# Altium PCB 电源模块.PcbDoc (part 1 of 3) (continued)
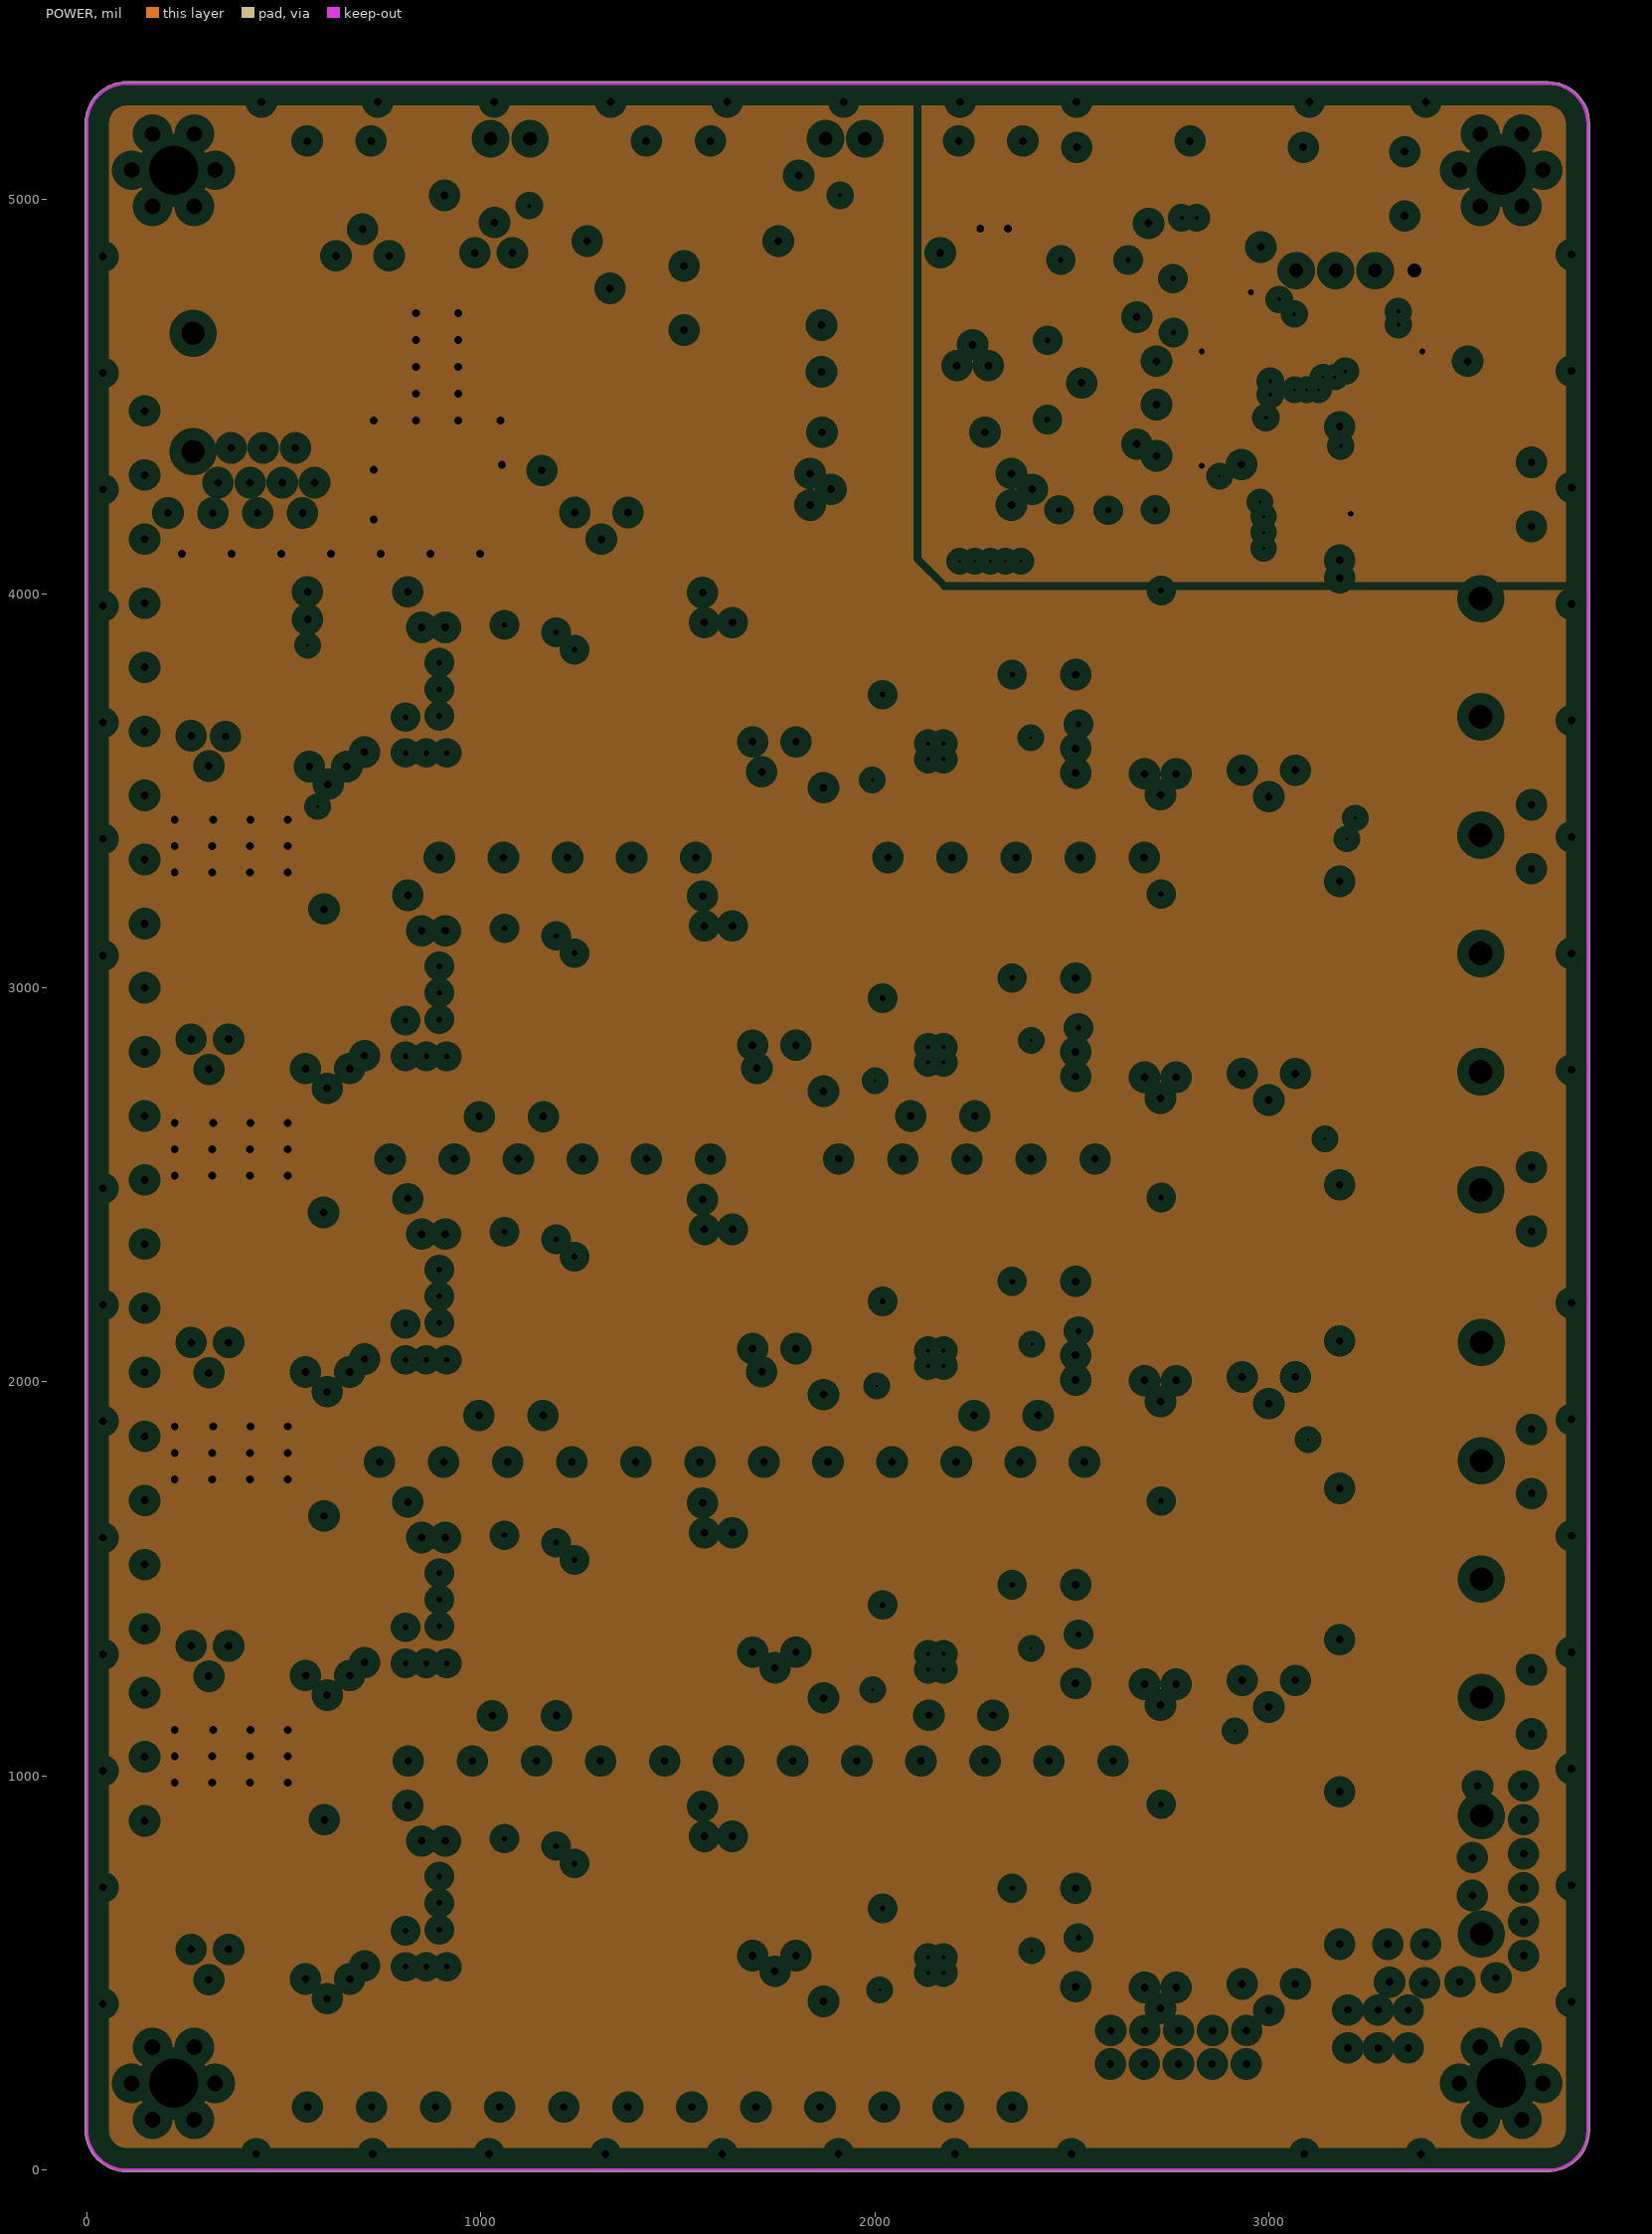
[diagram p3: POWER, clearances drawn from the general rule]

## Layer stack, top to bottom
Top Solder: solder mask 0.4, Solder Resist, Dk 3.5
Top Layer: signal copper 1.4
Dielectric 1: core 10, FR-4, Dk 4.2
GND: plane copper 1.417, net GND
Dielectric 2: prepreg 5, Dk 4.2
POWER: plane copper 1.417, net NetC12_1
Dielectric 3: core 10, Dk 4.2
Bottom Layer: signal copper 1.4
Bottom Solder: solder mask 0.4, Solder Resist, Dk 3.5

## Board outline
-4.01,94 -4.01,99.97 cw(c101.5,101.5) -4.01,103.03 -4.01,5204 cw(c0,5204) -3.24,5206.37 cw(c101.5,5193.5) 89.83,5298.38 cw(c92,5295) 92,5299.01 99.97,5299.01 cw(c101.5,5193.5) 103.03,5299.01 cw(c101.5,5193.5) 103.06,5299.01 103.03,5299.01 3710,5299.01 cw(c3710,5295) 3710.06,5299.01 cw(c3708.5,5193.5) 3814.03,5193.5 cw(c3708.5,5193.5) 3814.01,5191.97 cw(c3708.5,5193.5) 3814.01,5191.94 3814.01,5192 3814.01,100 cw(c3810,100) 3814.01,99.94 cw(c3708.5,101.5) 3706.97,-4.01 cw(c3708.5,101.5) 3706.94,-4.01 3706.97,-4.01 93,-4.01 cw(c93,0) 91.05,-3.51 cw(c101.5,101.5) -3.62,92.27 cw(c0,94)

## Design rules (kind name [scope] priority, off if disabled: settings)
Clearance Clearance_1 [InNet('NetC13_2')] p1: gap=50 ignorepadtopadclearanceinfootprint=FALSE except(0: Arc-Hole Track-Hole SMDPad-Hole THPad-Hole Via-Hole Fill-Hole Poly-Hole Region-Hole Text-Hole)
Clearance [All] p2: gap=7 ignorepadtopadclearanceinfootprint=FALSE except(0: Arc-Hole Track-Hole SMDPad-Hole THPad-Hole Via-Hole Fill-Hole Poly-Hole Region-Hole Text-Hole; 15: Arc-Poly Track-Poly SMDPad-Poly THPad-Poly Via-Poly Fill-Poly Poly-Poly)
PlaneClearance [All] p1: clearance=30
PlaneConnect [All] p1: planeconnectstyle=Relief reliefexpansion=20 reliefentries=4 reliefconductorwidth=25 reliefairgap=10
PolygonConnect PolygonConnect_1 [All vs IsVia] p1: connectstyle=Direct reliefconductorwidth=10 reliefentries=4 polygonreliefangle="90 Angle" airgapwidth=10
PolygonConnect [All] p2: connectstyle=Relief reliefconductorwidth=25 reliefentries=4 polygonreliefangle="90 Angle" airgapwidth=10
RoutingVias [All] p1: holewidth=28 width=50 viastyle="Through Hole" minholewidth=28 minwidth=50 maxholewidth=28 maxwidth=50
SolderMaskExpansion [All] p1: expansion=4 istentingtop=FALSE
Width [All] p1: maxlimit=100 minlimit=10 preferedwidth=10
28 further rules are at their usual default settings.

## Classes and differential pairs
component class 主控电路: C1 C2 C3 C4 C5 C6 C7 C8 D1 D9 DMG1 J1 JP1 JP3 LED1 R1 R2 R3 R74 U1 X1
component class 电源通道电路: C9 C10 C11 C12 C13 C14 C15 C16 C17 C18 C19 C20 C21 C22 C23 C24 C25 C26 C27 C28 C29 C30 C31 C32 C33 C34 C35 C36 C37 C38 C39 C40 C41 C42 C43 C44 C45 C46 C47 C48 C49 C50 C51 C52 C53 C54 C55 C56 C57 C58 C59 C60 C61 C62 C63 C64 C65 C66 C67 C68 C69 C70 C71 C72 C73 C74 C75 C76 C77 C78 C79 C80 C81 C82 C83 C84 C85 C86 C87 C88 C89 C90 C91 C92 C93 C94 C95 C96 C97 C98 C99 C100 C101 C102 C103 D2 D3 D4 D5 D6 D7 D8 DF1 FU1 JP2 JP4 JP5 JP14 JP15 JP16 JP17 JP? L1 L2 L3 L4 L5 L6 LED2 LED3 LED4 LED5 LED6 LED7 R4 R5 R6 R7 R8 R9 R10 R11 R12 R13 R14 R15 R16 R17 R18 R19 R20 R21 R22 R23 R24 R25 R26 R27 R28 R29 R30 R31 R32 R33 R34 R35 R36 R37 R38 R39 R40 R41 R42 R43 R44 R45 R46 R47 R48 R49 R50 R51 R52 R53 R54 R55 R56 R57 R58 R59 R60 R61 R62 R63 R64 R65 R66 R67 R68 R69 R70 R71 R72 R73 R75 R? U2 U3 U4 U5 U6 U7 U8 U9 U10 U11 U12 U13 U14 U15 U16 U17 U18

## Components (designator, comment, footprint, x,y, rotation, side; value= is the part's Value field where it differs from the comment)
C1 "22pF" "C 0603_M" 2665,4623.5 r90 top
C2 "0.1uF" "C 0603_M" 2793.5,4480 r0 top
C3 "22pF" "C 0603_M" 2665,4458.5 r270 top
C4 "0.1uF" "C 0603_M" 3180,4163.5 r90 top
C5 "0.1uF" "C 0603_M" 2793.5,4350 r0 top
C6 "0.1uF" "C 0603_M" 2793.5,4590 r0 top
C7 "0.1uF" "C 0603_M" 2980,4801.5 r270 top
C8 "0.1uF" "C 0603_M" 3426.5,4590 r180 top
C9 "10nF" "C 0603_M" 1508.5,4564 r180 top
C10 "100uF/10V" "CT 5*6 - R" 2240,4265 r0 top
C11 "0.1uF" "C 0603_M" 2245,4865 r0 top
C12 "22uF/63V" "CT 8*7 - C" 1035,4705 r270 top
C13 "0.01uF/1KV" "C 1210_M" 3088,234 r270 top
C14 "100uF/10V" "CT 5*6 - R" 1940,4265 r180 top
C15 "0.1uF" "C 0603_M" 2201.5,4410 r180 top
C16 "0.1uF" "C 0603_M" 1948.5,4410 r0 top
C17 "100uF/10V" "CT 5*6 - R" 2248.33,4683 r270 top
C18 "0.1uF" "C 0603_M" 1153.5,3860 r180 top
C19 "22uF/63V" "CT 8*7 - C" 310,3800 r90 top
C20 "10uF/50V" "C 1206_M" 610,3631.5 r90 top
C21 "0.1uF" "C 0603_M" 705,3676.5 r90 top
C22 "100uF/10V" "CT 5*6 - R" 1640,3624.33 r0 top
C23 "1uF/10V" "C 0603_M" 1638.76,3848.5 r270 top
C24 "0.1uF" "C 0603_M" 1567.53,3848.5 r270 top
C25 "100uF/10V" "CT 5*6 - R" 2725,3650 r270 top
C26 "0.1uF" "C 0603_M" 3180,3961.5 r270 top
C27 "1nF" "C 0603_M" 2028.5,3785 r180 top
C28 "0.1uF" "C 0603_M" 2431.5,3732.5 r180 top
C29 "1uF/25V" "C 0603_M" 1153.5,3932.5 r180 top
C30 "0.1uF" "C 0603_M" 638.5,4005 r0 top
C31 "10pF" "C 0603_M" 1308.5,4005 r180 top
C32 "0.1uF" "C 0603_M" 2431.5,3795 r180 top
C33 "0.1uF" "C 0603_M" 2431.5,3607.5 r0 top
C34 "1uF/10V" "C 0603_M" 1870,3586.5 r90 top
C35 "0.1uF" "C 0603_M" 1153.5,3090 r180 top
C36 "22uF/63V" "CT 8*7 - C" 310,3030 r90 top
C37 "10uF/50V" "C 1206_M" 610,2861.5 r90 top
C38 "0.1uF" "C 0603_M" 705,2906.5 r90 top
C39 "100uF/10V" "CT 5*6 - R" 1640,2854.33 r0 top
C40 "1uF/10V" "C 0603_M" 1638.76,3078.5 r270 top
C41 "0.1uF" "C 0603_M" 1567.53,3078.5 r270 top
C42 "100uF/10V" "CT 5*6 - R" 2725,2880 r270 top
C43 "0.1uF" "C 0603_M" 3180,3191.5 r270 top
C44 "1nF" "C 0603_M" 2028.5,3015 r180 top
C45 "0.1uF" "C 0603_M" 2431.5,2962.5 r180 top
C46 "1uF/25V" "C 0603_M" 1153.5,3162.5 r180 top
C47 "0.1uF" "C 0603_M" 638.5,3235 r0 top
C48 "10pF" "C 0603_M" 1308.5,3235 r180 top
C49 "0.1uF" "C 0603_M" 2431.5,3025 r180 top
C50 "0.1uF" "C 0603_M" 2431.5,2837.5 r0 top
C51 "1uF/10V" "C 0603_M" 1870,2816.5 r90 top
C52 "0.1uF" "C 0603_M" 1153.5,2320 r180 top
C53 "22uF/63V" "CT 8*7 - C" 310,2260 r90 top
C54 "10uF/50V" "C 1206_M" 610,2091.5 r90 top
C55 "0.1uF" "C 0603_M" 705,2136.5 r90 top
C56 "100uF/10V" "CT 5*6 - R" 1640,2084.33 r0 top
C57 "1uF/10V" "C 0603_M" 1638.76,2308.5 r270 top
C58 "0.1uF" "C 0603_M" 1567.53,2308.5 r270 top
C59 "100uF/10V" "CT 5*6 - R" 2725,2110 r270 top
C60 "0.1uF" "C 0603_M" 3180,2421.5 r270 top
C61 "1nF" "C 0603_M" 2028.5,2245 r180 top
C62 "0.1uF" "C 0603_M" 2431.5,2192.5 r180 top
C63 "1uF/25V" "C 0603_M" 1153.5,2392.5 r180 top
C64 "0.1uF" "C 0603_M" 638.5,2465 r0 top
C65 "10pF" "C 0603_M" 1308.5,2465 r180 top
C66 "0.1uF" "C 0603_M" 2431.5,2255 r180 top
C67 "0.1uF" "C 0603_M" 2431.5,2067.5 r0 top
C68 "1uF/10V" "C 0603_M" 1870,2046.5 r90 top
C69 "0.1uF" "C 0603_M" 1153.5,1550 r180 top
C70 "22uF/63V" "CT 8*7 - C" 310,1490 r90 top
C71 "10uF/50V" "C 1206_M" 610,1321.5 r90 top
C72 "0.1uF" "C 0603_M" 705,1366.5 r90 top
C73 "100uF/10V" "CT 5*6 - R" 1640,1314.33 r0 top
C74 "1uF/10V" "C 0603_M" 1638.76,1538.5 r270 top
C75 "0.1uF" "C 0603_M" 1567.53,1538.5 r270 top
C76 "100uF/10V" "CT 5*6 - R" 2725,1340 r270 top
C77 "0.1uF" "C 0603_M" 3180,1651.5 r270 top
C78 "1nF" "C 0603_M" 2028.5,1475 r180 top
C79 "0.1uF" "C 0603_M" 2431.5,1422.5 r180 top
C80 "1uF/25V" "C 0603_M" 1153.5,1622.5 r180 top
C81 "0.1uF" "C 0603_M" 638.5,1695 r0 top
C82 "10pF" "C 0603_M" 1308.5,1695 r180 top
C83 "0.1uF" "C 0603_M" 2431.5,1485 r180 top
C84 "0.1uF" "C 0603_M" 2431.5,1297.5 r0 top
C85 "1uF/10V" "C 0603_M" 1870,1276.5 r90 top
C86 "0.1uF" "C 0603_M" 1153.5,780 r180 top
C87 "22uF/63V" "CT 8*7 - C" 310,720 r90 top
C88 "10uF/50V" "C 1206_M" 610,551.5 r90 top
C89 "0.1uF" "C 0603_M" 705,596.5 r90 top
C90 "100uF/10V" "CT 5*6 - R" 1640,544.33 r0 top
C91 "1uF/10V" "C 0603_M" 1638.76,768.5 r270 top
C92 "0.1uF" "C 0603_M" 1567.53,768.5 r270 top
C93 "100uF/10V" "CT 5*6 - R" 2725,570 r270 top
C94 "0.1uF" "C 0603_M" 3180,881.5 r270 top
C95 "1nF" "C 0603_M" 2028.5,705 r180 top
C96 "0.1uF" "C 0603_M" 2431.5,652.5 r180 top
C97 "1uF/25V" "C 0603_M" 1153.5,852.5 r180 top
C98 "0.1uF" "C 0603_M" 638.5,925 r0 top
C99 "10pF" "C 0603_M" 1308.5,925 r180 top
C100 "0.1uF" "C 0603_M" 2431.5,715 r180 top
C101 "0.1uF" "C 0603_M" 2431.5,527.5 r0 top
C102 "1uF/10V" "C 0603_M" 1870,506.5 r90 top
C103 "0.1uF" "C 0603_M" 1155,4391.5 r90 top
D1 "TESD05EB" 0603-ESD 1805,5011 r0 top
D2 "SMBJ40CA" "SMB - TVS" 700,4765 r270 top
D3 "SS34" SMA 1306,4296.55 r90 top
D4 "SMBJ5.0A" "SMB - TVS" 3000,3645 r90 top
D5 "SMBJ5.0A" "SMB - TVS" 3000,2875 r90 top
D6 "SMBJ5.0A" "SMB - TVS" 3000,2105 r90 top
D7 "SMBJ5.0A" "SMB - TVS" 3000,1335 r90 top
D8 "SMBJ5.0A" "SMB - TVS" 3000,565 r90 top
D9 "TESD05EB" 0603-ESD 950,5011 r0 top
DF1 "FERD20H100SB-TR" DPAK_FERD20H100SB-TR 750.05,4295 r180 top
DMG1 "LCD1" FCC1.0*10 2977.48,5015 r0 top
FU1 "122 20A 48V" "R 1206_M" 687.5,4530 r0 top
J1 "swio" HDR2.54-LI-4P 3220,4820 r180 top
JP1 "HDR-1X2" XH2.54-LI-2P 1925,5155 r180 top
JP2 "KF129-2P" 7.62_2P(中脚) 270,4511 r90 top locked
JP3 "HDR-1X2" XH2.54-LI-2P 1075,5155 r180 top
JP4 "HDR-1X6" 7.62_6P(中脚) 3535,3215 r270 top locked
JP5 "HDR-1X6" 7.62_6P(中脚) 3537.25,1327.1 r270 top locked
JP14 "冷压插片" "M3 125X300" 220,220 r180 top locked
JP15 "冷压插片" "M3 125X300" 220,5075 r180 top locked
JP16 "冷压插片" "M3 125X300" 3590,5075 r180 top locked
JP17 "冷压插片" "M3 125X300" 3590,220 r180 top locked
L1 "15uH/MAX3A" CDRH74 1585,4305 r0 top
L2 "3.3uH/6A-C394166" 7045 1215,3669.8 r0 top
L3 "3.3uH/6A-C394166" 7045 1215,2899.8 r0 top
L4 "3.3uH/6A-C394166" 7045 1215,2129.8 r0 top
L5 "3.3uH/6A-C394166" 7045 1215,1359.8 r0 top
L6 "3.3uH/6A-C394166" 7045 1215,589.8 r0 top
LED1 "LED" "LED 0603G" 3654.74,4470 r270 top
LED2 "LED" "LED 0603G" 1155.26,4230 r90 top
LED3 "LED" "LED 0603G" 1640,4003.26 r180 top
LED4 "LED" "LED 0603G" 1640,3233.26 r180 top
LED5 "LED" "LED 0603G" 1640,2463.26 r180 top
LED6 "LED" "LED 0603G" 1640,1693.26 r180 top
LED7 "LED" "LED 0603G" 1640,923.26 r180 top
R1 "10k" "R 0603_M" 2008.5,5010 r180 top
R2 "1k" "R 0603_M" 3655,4626.5 r270 top
R3 "1k" "R 0603_M" 2793.5,4415 r180 top
R4 "10k/1%" "R 0603_M" 1755,4668.5 r270 top
R5 "1k" "R 0603_M" 1075,4226.5 r90 top
R6 "51k" "R 0603_M" 1270,4658.5 r90 top
R7 "10k" "R 0603_M" 1270,4816.5 r90 top
R8 "3.24k/1%" "R 0603_M" 1755,4816.5 r270 top
R9 "0.027R/1%/3W" "R 2512_M" 2100.98,3950 r180 top
R10 "1k" "R 0603_M" 638.5,3865 r180 top
R11 "1k" "R 0603_M" 1710,3848.5 r270 top
R12 "1k" "R 0603_M" 3180,3733.5 r90 top
R13 "100R/1%" "R 0603_M" 2178.5,3785 r180 top
R14 "100R" "R 0603_M" 2431.5,3670 r180 top
R15 "0R" "R 0603_M" 1308.5,3860 r180 top
R16 "100K" "R 0603_M" 1308.5,3932.5 r180 top
R17 "60.4K/1%" "R 0603_M" 638.5,3935 r180 top
R18 "1M/1%" "R 0603_M" 1153.5,4005 r180 top
R19 "243K/1%" "R 0603_M" 893.5,4005 r180 top
R20 "100k" "R 0603_M" 1935,3586.5 r270 top
R21 "150k" "R 0603_M" 2431.5,3545 r180 top
R22 "0.06R/1%/W" "R 2512_M" 2100.98,3180 r180 top
R23 "1k" "R 0603_M" 638.5,3095 r180 top
R24 "1k" "R 0603_M" 1710,3078.5 r270 top
R25 "1k" "R 0603_M" 3180,2963.5 r90 top
R26 "249R/1%" "R 0603_M" 2178.5,3015 r180 top
R27 "100R" "R 0603_M" 2431.5,2900 r180 top
R28 "0R" "R 0603_M" 1308.5,3090 r180 top
R29 "100K" "R 0603_M" 1308.5,3162.5 r180 top
R30 "60.4K/1%" "R 0603_M" 638.5,3165 r180 top
R31 "1M/1%" "R 0603_M" 1153.5,3235 r180 top
R32 "243K/1%" "R 0603_M" 893.5,3235 r180 top
R33 "100k" "R 0603_M" 1935,2816.5 r270 top
R34 "150k" "R 0603_M" 2431.5,2775 r180 top
R35 "0.06R/1%/W" "R 2512_M" 2100.98,2410 r180 top
R36 "1k" "R 0603_M" 638.5,2325 r180 top
R37 "1k" "R 0603_M" 1710,2308.5 r270 top
R38 "1k" "R 0603_M" 3180,2193.5 r90 top
R39 "249R/1%" "R 0603_M" 2178.5,2245 r180 top
R40 "100R" "R 0603_M" 2431.5,2130 r180 top
R41 "0R" "R 0603_M" 1308.5,2320 r180 top
R42 "100K" "R 0603_M" 1308.5,2392.5 r180 top
R43 "60.4K/1%" "R 0603_M" 638.5,2395 r180 top
R44 "1M/1%" "R 0603_M" 1153.5,2465 r180 top
R45 "243K/1%" "R 0603_M" 893.5,2465 r180 top
R46 "100k" "R 0603_M" 1935,2046.5 r270 top
R47 "150k" "R 0603_M" 2431.5,2005 r180 top
R48 "0.06R/1%/W" "R 2512_M" 2100.98,1640 r180 top
R49 "1k" "R 0603_M" 638.5,1555 r180 top
R50 "1k" "R 0603_M" 1710,1538.5 r270 top
R51 "1k" "R 0603_M" 3180,1423.5 r90 top
R52 "249R/1%" "R 0603_M" 2178.5,1475 r180 top
R53 "100R" "R 0603_M" 2431.5,1360 r180 top
R54 "0R" "R 0603_M" 1308.5,1550 r180 top
R55 "100K" "R 0603_M" 1308.5,1622.5 r180 top
R56 "60.4K/1%" "R 0603_M" 638.5,1625 r180 top
R57 "1M/1%" "R 0603_M" 1153.5,1695 r180 top
R58 "243K/1%" "R 0603_M" 893.5,1695 r180 top
R59 "100k" "R 0603_M" 1935,1276.5 r270 top
R60 "150k" "R 0603_M" 2431.5,1235 r180 top
R61 "0.06R/1%/W" "R 2512_M" 2100.98,870 r180 top
R62 "1k" "R 0603_M" 638.5,785 r180 top
R63 "1k" "R 0603_M" 1710,768.5 r270 top
R64 "1k" "R 0603_M" 3180,653.5 r90 top
R65 "249R/1%" "R 0603_M" 2178.5,705 r180 top
R66 "100R" "R 0603_M" 2431.5,590 r180 top
R67 "0R" "R 0603_M" 1308.5,780 r180 top
R68 "100K" "R 0603_M" 1308.5,852.5 r180 top
R69 "60.4K/1%" "R 0603_M" 638.5,855 r180 top
R70 "1M/1%" "R 0603_M" 1153.5,925 r180 top
R71 "243K/1%" "R 0603_M" 893.5,925 r180 top
R72 "100k" "R 0603_M" 1935,506.5 r270 top
R73 "150k" "R 0603_M" 2431.5,465 r180 top
R74 "10k" "R 0603_M" 1158.5,5010 r180 top
R75 "1M" "R 0603_M" 2985,214.5 r270 top
U1 "STM32F103C8T6" "LQFP48 7X7_M" 3094.21,4476.42 r270 top locked
U2 "TPS5430" SOP127P780-9 1515,4750 r180 top
U3 "AMS1117-3.3" SOT-223-4 1955,4735 r90 top
U4 "LT8612EUDE" QFN-28_LT8612EUDE 895,3755 r270 top
U5 "NCE3010S" SOP8 2794,3854 r180 top
U6 "LTC7003EMSE" MSOP-16 2151.88,3608.13 r270 top
U7 "LT8612EUDE" QFN-28_LT8612EUDE 895,2985 r270 top
U8 "NCE3010S" SOP8 2794,3084 r180 top
U9 "LTC7003EMSE" MSOP-16 2151.88,2838.13 r270 top
U10 "LT8612EUDE" QFN-28_LT8612EUDE 895,2215 r270 top
U11 "NCE3010S" SOP8 2794,2314 r180 top
U12 "LTC7003EMSE" MSOP-16 2151.88,2068.13 r270 top
U13 "LT8612EUDE" QFN-28_LT8612EUDE 895,1445 r270 top
U14 "NCE3010S" SOP8 2794,1544 r180 top
U15 "LTC7003EMSE" MSOP-16 2151.88,1298.13 r270 top
U16 "LT8612EUDE" QFN-28_LT8612EUDE 895,675 r270 top
U17 "NCE3010S" SOP8 2794,774 r180 top
U18 "LTC7003EMSE" MSOP-16 2151.88,528.13 r270 top
X1 "8MHz" "OSC HC-49SMD" 2525,4535 r90 top

## Footprints (in the part's own frame and the unit in brackets; to place one, negate y for a bottom-side part, rotate by r counter-clockwise, add the part's x,y. Pads: shape width x height; smd on the part's side, far side on the other; paste and mask are expansions set on the pad)
7.62_2P(中脚) [mil]
  round 100 hole 60: 1(-150.1,0) 2(150.1,0)
  silkscreen extent -331,-266 331,266
7.62_6P(中脚) [mil]
  round 100 hole 60: 1(-772.9,2.75) 2(-472.7,2.75) 3(-172.51,2.75) 4(127.69,2.75) 5(427.89,2.75) 6(728.08,2.75)
  silkscreen extent -954,-263 909,268
0603-ESD [mil]
  rect 30x30 smd: 1(0,0) 2(55,0)
  silkscreen extent -25,-25 80,25
7045 [mm]
  rect 1.5x2.2 smd: 1(-2.883,-0.245) 2(3.81,-0.229)
  silkscreen extent -3.09,-3.8 4.03,3.42, body extent -3.18,-3.89 4.12,3.41, height 4.5
"C 0603_M" [mil] "无极性贴片电容"
  rect 40x30 smd: 1(-36.5,0) 2(36.5,0)
  silkscreen extent -68,-26 68,26, body extent -31,-16 32,16, height 32
"C 1206_M" [mil] "无极性贴片电容"
  rect 60x62.99 smd: 1(-67.5,0) 2(67.5,0)
  silkscreen extent -112,-44 112,44, body extent -63,-32 63,32, height 48
"C 1210_M" [mil] "无极性贴片电容"
  rect 70x100 smd: 1(-75,0) 2(75,0)
  silkscreen extent -123,-63 123,63, body extent -63,-51 63,51, height 60
CDRH74 [mm] "7.3*7.3*4.5mm（长宽高）"
  rect 2x2 smd: 1(-3.81,0) 2(3.81,0)
  silkscreen extent -3.81,-3.81 3.81,3.81, body extent -3.65,-3.65 3.65,3.65, height 4.5
"CT 5*6 - R" [mm] "直径5mm，高6mm"
  rect 1.8x0.8 smd: 1(2.65,0)
  oval 1.8x0.8 smd: 2(-2.65,0)
  silkscreen extent -2.65,-2.65 2.65,2.65, body extent -2.95,-2.65 2.95,2.65, height 6
"CT 8*7 - C" [mm] "直径8mm，高7mm"
  rect 3x1.3 smd: 1(4,0)
  oval 3x1.3 smd: 2(-4,0)
  silkscreen extent -4.2,-4.2 4.2,4.2, body extent -4.5,-4.15 4.5,4.15, height 7
DPAK_FERD20H100SB-TR [mm]
  rect 2.222x1.071 smd: 1(3.428,-2.29) 3(3.428,2.29)
  rect 5.924x5.46 smd: 2(-3.428,0)
  silkscreen extent -4.9,-3.36 1.35,3.36
FCC1.0*10 [mm]
  rect 2x2 smd: 0(-11.8,3) 0(2.8,3)
  rect 0.5x2 smd: 1(0,0) 2(-1,0) 3(-2,0) 4(-3,0) 5(-4,0) 6(-5,0) 7(-6,0) 8(-7,0) 9(-8,0) 10(-9,0)
  silkscreen extent -11.4,6 2.4,6
HDR2.54-LI-4P [mm] "排针，4脚"
  rect 1.7x1.7 hole 0.9: 1(-3.81,0)
  round 1.7 hole 0.9: 2(-1.27,0) 3(1.27,0) 4(3.81,0)
  silkscreen extent -5.08,-1.27 5.08,1.27, body extent -5.08,-1.27 5.08,1.27, height 8.5
"LED 0603G" [mil] "绿色0603LED"
  rect 50x35 smd: 1(-35,0.26)
  oct 50x35 smd: 2(35,0.26)
  silkscreen extent -71,-28 81,28, body extent -31,-16 31,16, height 18
"LQFP48 7X7_M" [mm] "48脚，体宽7x7mm，脚距0.5mm"
  oval 0.3x2.1 smd: 1(-2.75,-4.227) 2(-2.25,-4.227) 3(-1.75,-4.227) 4(-1.25,-4.227) 5(-0.75,-4.227) 6(-0.25,-4.227) 7(0.25,-4.227) 8(0.75,-4.227) 9(1.25,-4.227) 10(1.75,-4.227) 11(2.25,-4.227) 12(2.75,-4.227) 25(2.75,4.202) 26(2.25,4.202) 27(1.75,4.202) 28(1.25,4.202) 29(0.75,4.202) 30(0.25,4.202) 31(-0.25,4.202) 32(-0.75,4.202) 33(-1.25,4.202) 34(-1.75,4.202) 35(-2.25,4.202) 36(-2.75,4.202)
  oval 2.1x0.3 smd: 13(4.227,-2.75) 14(4.227,-2.25) 15(4.227,-1.75) 16(4.227,-1.25) 17(4.227,-0.75) 18(4.227,-0.25) 19(4.227,0.25) 20(4.227,0.75) 21(4.227,1.25) 22(4.227,1.75) 23(4.227,2.25) 24(4.227,2.75) 37(-4.227,2.75) 38(-4.227,2.25) 39(-4.227,1.75) 40(-4.227,1.25) 41(-4.227,0.75) 42(-4.227,0.25) 43(-4.227,-0.25) 44(-4.227,-0.75) 45(-4.227,-1.25) 46(-4.227,-1.75) 47(-4.227,-2.25) 48(-4.227,-2.75)
  silkscreen extent -3.93,-4.95 2.79,2.79, body extent -4.5,-4.5 4.5,4.5, height 1.45
"M3 125X300" [mil] "M3螺丝孔，孔125Mil，焊盘300Mil"
  round 40 hole 40: 1(-106,0) 1(-53,91.8) 1(-53,-91.8) 1(53,91.8) 1(53,-91.8) 1(106,0)
  round 300 hole 125: 1(0,0)
MSOP-16 [mm]
  oval 0.28x1.608 smd: 1(-1.544,-2.025) 2(-1.044,-2.025) 3(-0.544,-2.025) 4(-0.044,-2.025) 5(0.457,-2.025) 6(0.957,-2.025) 7(1.457,-2.025) 8(1.957,-2.025) 9(1.957,2.183) 10(1.457,2.183) 11(0.957,2.183) 12(0.457,2.183) 13(-0.044,2.183) 14(-0.544,2.183) 15(-1.044,2.183) 16(-1.544,2.183)
  rect 2.845x1.651 smd: 17(0.207,0.079)
  silkscreen extent -2.29,-2.17 2.3,1.15
"OSC HC-49SMD" [mm]
  rect 5x2 smd: 1(-4.75,0) 2(4.75,0)
  silkscreen extent -5.7,-2.4 5.7,2.4, body extent -6.5,-2.32 6.5,2.33, height 4.63
QFN-28_LT8612EUDE [mm]
  rect 0.28x0.585 smd: 1(-2.266,-1.415) 2(-1.766,-1.415) 3(-1.266,-1.415) 4(-0.766,-1.415) 5(-0.266,-1.415) 6(0.234,-1.415) 7(0.734,-1.415) 8(1.234,-1.415) 9(1.734,-1.415) 10(2.234,-1.415) 15(2.234,1.42) 16(1.734,1.42) 17(1.234,1.42) 18(0.734,1.42) 19(0.234,1.42) 20(-0.266,1.42) 21(-0.766,1.42) 22(-1.266,1.42) 23(-1.766,1.42) 24(-2.266,1.42)
  rect 0.585x0.28 smd: 11(2.902,-0.748) 12(2.902,-0.248) 13(2.902,0.252) 14(2.902,0.752) 25(-2.933,0.752) 26(-2.933,0.252) 27(-2.933,-0.248) 28(-2.933,-0.748)
  rect 4.75x1.7 smd: 29(-0.016,0.002)
  silkscreen extent -3.09,-2.08 3.06,1.58
"R 0603_M" [mil] "1/10W贴片电阻"
  rect 40x31.5 smd: 1(-36.5,0) 2(36.5,0)
  silkscreen extent -68,-26 68,26, body extent -31,-16 32,16, height 16
"R 1206_M" [mil] "1/4W贴片电阻"
  rect 60x62.99 smd: 1(-67.5,0) 2(67.5,0)
  silkscreen extent -112,-44 112,44, body extent -63,-31 63,32, height 22
"R 2512_M" [mm] "1W贴片电阻"
  rect 2.032x3.2 smd: 1(-3.2,0) 2(3.2,0)
  silkscreen extent -4.57,-2.03 4.57,2.03, body extent -3.2,-1.6 3.2,1.6, height 0.55
SMA [mm] "4.5x2.6*2.2mm（长宽高，不包括引脚）"
  rect 2.2x1.75 smd: 1(-2.3,0) 2(2.3,0)
  silkscreen extent -2.7,-1.52 3.56,1.52, body extent -2.53,-1.3 2.57,1.3, height 2.15
"SMB - TVS" [mm] "4.7*3.9*2.2mm(长宽高，不包括引脚）"
  rect 2.5x2.2 smd: 1(-2.35,0) 2(2.35,0)
  silkscreen extent -2.8,-1.9 2.8,1.9, body extent -2.63,-1.8 2.67,1.8, height 2.35
SOP8 [mil] "（蒜米工坊）"
  oval 80x24 smd: 1(-1,-1) 2(-1,-51) 3(-1,-101) 4(-1,-151) 5(219,-151) 6(219,-101) 7(219,-51) 8(219,-1)
  silkscreen extent 59,-176 159,24, body extent -4,-174 234,24, height 63
SOP127P780-9 [mm] "SOP, 8-Leads, Body 5.3x5.3mm, Pitch 1.27mm, IPC High Density"
  rrect30% 1.9x0.6 smd: 1(-3.35,1.905) 2(-3.35,0.635) 3(-3.35,-0.635) 4(-3.35,-1.905) 5(3.35,-1.905) 6(3.35,-0.635) 7(3.35,0.635) 8(3.35,1.905)
  rrect20% 3x7.302 smd: 9(0,0)
  silkscreen extent -3.47,-2.75 2,2.88, body extent -2.73,-2.75 2.73,2.75, height 2.03
SOT-223-4 [mm] "SOT223/SC73, 4-Leads, Body 6.5x3.5mm, Pitch 2.3mm, Lead Span 7mm, IPC High Density"
  rect 2.1x0.9 smd: 1(-2.85,2.3) 2(-2.85,0) 3(-2.85,-2.3)
  rect 2.1x3.2 smd: 2(2.85,0)
  silkscreen extent -2.97,-3.35 1.5,3.42, body extent -1.85,-3.35 1.85,3.35, height 1.8
XH2.54-LI-2P [mm] "接插件，2P"
  rect 1.7x1.7 hole 0.9: 1(-1.27,0)
  round 1.7 hole 0.9: 2(1.27,0)
  silkscreen extent -3.81,-3.51 3.74,2.37, body extent -3.77,-3.3 3.77,2.4, height 7.05

## Part data
C1 C2 C3 C4 C5 C6 C7 C8 C9 C10 C11 C13 C14 C15 C16 C17 C18 C20 C21 C22 C23 C24 C25 C26 C27 C28 C29 C30 C31 C32 C33 C34 C35 C37 C38 C39 C40 C41 C42 C43 C44 C45 C46 C47 C48 C49 C50 C51 C52 C54 C55 C56 C57 C58 C59 C60 C61 C62 C63 C64 C65 C66 C67 C68 C69 C71 C72 C73 C74 C75 C76 C77 C78 C79 C80 C81 C82 C83 C84 C85 C86 C88 C89 C90 C91 C92 C93 C94 C95 C96 C97 C98 C99 C100 C101 C102 C103: library part C
C12 C19 C36 C53 C70 C87: library part C+
D1 D2 D4 D5 D6 D7 D8 D9: library part "D  TVS"
D3: library part D
DF1: library part D复合二极管
DMG1: library part DMG48480C040
FU1: library part FUSE
J1: library part HDR1x4, "Connector"
JP1 JP2 JP3: library part "Header 2", "2P接插件"
JP4 JP5: library part "Header 6", "6P接插件"
L1: library part INDUCTOR
L2 L3 L4 L5 L6: library part L
R1 R2 R3 R4 R5 R6 R7 R8 R9 R10 R11 R12 R13 R14 R15 R16 R17 R18 R19 R20 R21 R22 R23 R24 R25 R26 R27 R28 R29 R30 R31 R32 R33 R34 R35 R36 R37 R38 R39 R40 R41 R42 R43 R44 R45 R46 R47 R48 R49 R50 R51 R52 R53 R54 R55 R56 R57 R58 R59 R60 R61 R62 R63 R64 R65 R66 R67 R68 R69 R70 R71 R72 R73 R74 R75: library part Res
U1: library part STM32F103CBT6, "STM32 ARM-based 32-bit MCU with 128 Kbytes Flash, 48-pin LQFP, Industrial Temperature"
U2: "3-A, Wide Input Range, Step-Down Converter"
U3: library part LM1117-33
U5 U8 U11 U14 U17: library part IRF7240PBF
X1: library part CRYSTAL, "Crystal"

## Via types
v1: diameter 40, hole 20, Top Layer to Bottom Layer, tented both sides, 472 vias
v2: diameter 30, hole 15, Top Layer to Bottom Layer, tented both sides, 84 vias
v3: diameter 18, hole 8, Top Layer to Bottom Layer, tented both sides, 32 vias
v4: diameter 24, hole 12, Top Layer to Bottom Layer, tented both sides, 20 vias
v5: diameter 20, hole 10, Top Layer to Bottom Layer, tented both sides, 13 vias

## Nets (pads, with @x,y where several pads share a name; then routed paths per layer and width w, separated by ;. In a path a pad name is that pad's centre, name@x,y a point inside that pad or via, vN(x,y) a via of type N, cw(c..) or ccw(c..) an arc to the next point about the centre after c; other vN are vias at no path point)
3.3V: C4.2 C5.2 C6.2 C7.2 C8.2 C11.2 C17.2 J1.1 R1.1 R2.1 R3.1 R74.1 U1.1 U1.9 U1.24 U1.36 U1.48 U3.2 | length 2481.5
  Top Layer w12: R74.1@1195,5010 1669,5010 1712,4967 2045,4967 ; U3.2@1955,4847.2 2045,4937.2 2045,4967 ; R1.1@2045,5010 2045,4967 ; C5.2@2830,4350 R3.1@2830,4415 2862,4415 2874.2,4427.2 U1.9@2927.8,4427.2 ; C6.2@2830,4590 2835.32,4584.68 U1.1@2927.8,4584.68 ; C7.2@2980,4765 2985.94,4759.06 U1.48@2985.94,4642.83 ; C4.2@3180,4200 3180,4233 3202.48,4255.48 U1.24@3202.48,4310 ; U1.36@3259.63,4584.68 3384.68,4584.68 C8.2@3390,4590
  Top Layer w20: v2(2830,4325) C5.2@2830,4350 ; C6.2@2830,4590 v2(2830,4615) ; v2(2955,4765) C7.2@2980,4765 ; C4.2@3180,4200 3183,4203 v2(3208,4203) ; J1.1@3370,4820 3610,4820 3655,4775 R2.1@3655,4663 ; C8.2@3390,4590 v2(3390,4615)
  Top Layer w25: U3.2@1955,4622.8 U3.2@1955,4847.2
  other v1: 2268,4926 2338,4926
+5V: C10.2 C14.2 C15.2 C16.2 DMG1.1 DMG1.2 DMG1.3 L1.2 R4.2 U3.3 | length 1717
  Top Layer w25: L1.2@1735,4305 1755,4325 R4.2@1755,4632 ; U3.3@2045.55,4622.8 2045.55,4641.55 2081,4677 2362,4677 2398,4713 2398,4850 2440,4892 2852,4892 2896,4936 ; DMG1.3@2898.74,5015 2898.74,4938.74 2896,4936 ; DMG1.2@2938.11,5015 2938.11,4936.89 2939,4936 ; DMG1.1@2977.48,5015 2977.48,4952.48 2961,4936 2939,4936 ; 2896,4936 2939,4936
A1OSC_IN: C1.1 U1.5 X1.2 | length 531.5
  Top Layer w10: X1.2@2525,4722.01 2525,4660 2598,4587 C1.1@2665,4587 2665,4582 2700,4547 2845.67,4547 2886.73,4505.94 U1.5@2927.8,4505.94
A1OSC_OUT: C3.1 U1.6 X1.1 | length 527.9
  Top Layer w10: X1.1@2525,4347.99 2525,4409 2611,4495 C3.1@2665,4495 2695,4525 2842,4525 2880.74,4486.26 U1.6@2927.8,4486.26